# Altium PCB TimeDrive.PcbDoc (part 3 of 4)
Units mil, origin at the board's own origin, x right, y up, seen from the top; angles counter-clockwise.
Board outline 866.1 x 4330 mil, 8 copper layers (L01_SIG, L02_PWR, L03_GND, L04_SIG, L05_SIG, L06_GND, L07_PWR, L08_SIG), stack 31.68 mil thick; 313 components, 297 nets, 1051 pads, 637 vias.
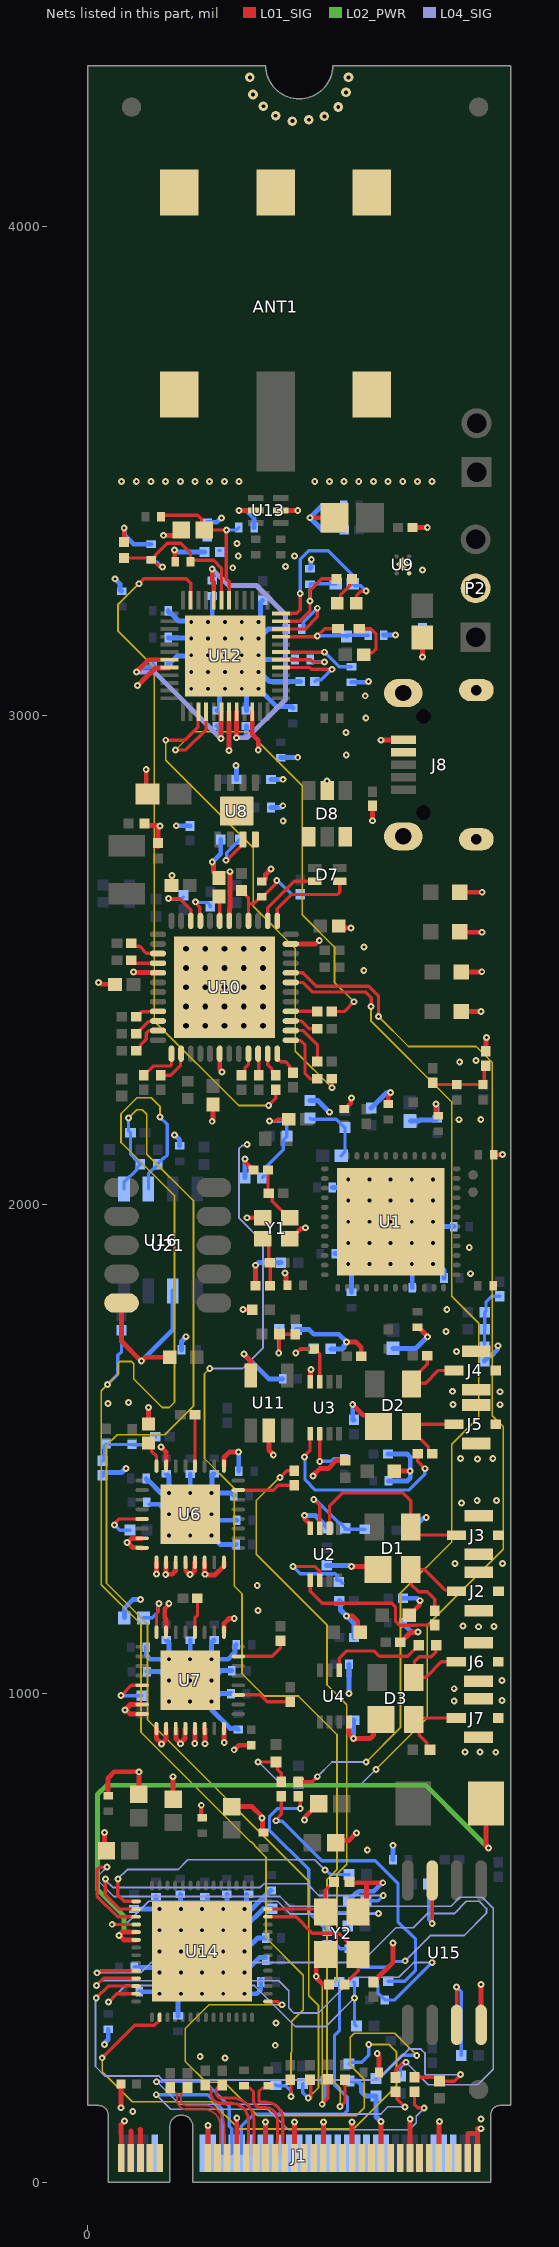
[diagram p9: the nets of this part, all layers, seen from the top]

## Via types
v1: diameter 14, hole 6, L01_SIG to L08_SIG, 509 vias
v2: diameter 19.68, hole 7.87, L01_SIG to L08_SIG, tented both sides, 103 vias
v3: diameter 23.62, hole 11.81, L01_SIG to L08_SIG, tented both sides, 25 vias

## Nets (pads, with @x,y where several pads share a name; then routed paths per layer and width w, separated by ;. In a path a pad name is that pad's centre, name@x,y a point inside that pad or via, vN(x,y) a via of type N, cw(c..) or ccw(c..) an arc to the next point about the centre after c; other vN are vias at no path point) (continued)
DW1000_SPIMISO: R78.1 U12.40 | length 975.5
  L01_SIG w6.8: v1(180,2930) 200.67,2930 242.37,2971.7 U12.40@242.37,3008.17 ; R78.1@499.76,2395 525,2395 v1(545,2415)
  L05_SIG w3.6: v1(180,2930) 217.12,2967.12 328.88,2967.12 439,2857 439,2593 505,2527 505,2455 v1(545,2415)
DW1000_SPIMOSI: R75.1 U12.39 | length 978.9
  L01_SIG w6.8: v1(160,2950) 198.62,2950 226.08,2977.46 226.08,3007.64 U12.39@226.62,3008.17 ; R75.1@499.76,2257.87 500,2257.64 v1(500,2239.15)
  L05_SIG w3.6: v1(160,2950) 160,2909 339,2730 339,2610 425,2524 425,2314.15 v1(500,2239.15)
DW1000_VCOTUNE: C75.1 R92.1 U12.12 | length 372.4
  L01_SIG w6.8: U12.12@395.91,3208.96 416.58,3208.96 417.13,3209.51 428.02,3209.51 435,3216.5 v1(435,3250) ; R92.1@549.68,3230 550.68,3231 550.68,3246.68 559,3255 v1(570,3255)
  L08_SIG w6.8: v1(435,3250) 435,3320 452.6,3337.6 492.4,3337.6 542.32,3287.68 C75.1@542.32,3270 546.52,3265.8 559.2,3265.8 v1(570,3255)
DW1000_VDDCLK: C66.2 C67.2 C68.2 U12.9 | length 231.6
  L01_SIG w6.8: U12.9@395.91,3161.72 470,3161.72 v1(470,3163.36) 484.94,3178.3 C66.2@512.32,3178.3
  L08_SIG w6.8: v1(470,3163.36) C68.2@530,3163.36 ; C68.2@530,3161.87 C68.2@530,3163.36 ; C67.2@574.25,3165 530,3165 C68.2@530,3163.36
DW1000_VDDDIG: C71.1 C72.1 U12.20 U12.44 | length 677.2
  L01_SIG w10: v1(255,3300) 255,3276.5 258.12,3273.38 U12.20@258.12,3236.52 ; v1(305,2955) 305,3007.81 U12.44@305.36,3008.17
  L04_SIG w10: v1(255,3300) 288.6,3266.4 345.6,3266.4 405,3207 405,3033 327,2955 v1(305,2955)
  L08_SIG w10: C71.1@255,3276.5 v1(255,3300) ; v1(305,2955) 319.14,2955 325,2960.86 C72.1@325,2979.25
DW1000_VDDIF: C60.2 U12.7 | length 156.7
  L01_SIG w6.8: U12.7@395.91,3130.22 485,3130.22 v1(485,3130)
  L08_SIG w6.8: v1(485,3130) 515,3100 C60.2@540,3100
DW1000_VDDIO: C69.1 C70.1 U12.31 U12.42 | length 433.4
  L01_SIG w10: v1(100.22,3089.69) 125,3114.47 U12.31@167.57,3114.47 ; v1(272.76,2953.49) 273.33,2954.06 273.33,3007.64 U12.42@273.86,3008.17
  L04_SIG w10: v1(100.22,3089.69) 136.56,3089.69 v1(272.76,2953.49)
  L08_SIG w10: v1(100.22,3089.69) 101.3,3089.69 111.76,3100.16 131.38,3100.16 134.25,3103.03 C70.1@134.25,3105 ; C69.1@265,2979.25 266.97,2979.25 269.84,2976.38 269.84,2957.49 272.76,2954.58 v1(272.76,2953.49)
DW1000_VDDMS: C59.2 U12.6 | length 122.3
  L01_SIG w6.8: U12.6@395.91,3114.47 456.27,3114.47 460.75,3110 v1(485,3110)
  L08_SIG w6.8: C59.2@455.75,3115 460.75,3110 v1(485,3110)
DW1000_VDDPA1: C55.1 C56.2 C57.1 C58.1 FB1.1 U12.18 | length 335.4
  L01_SIG w6.8: FB1.1@150.18,3406.79 150.18,3410 225,3410 233.28,3401.72 233.28,3385.37 C58.1@238.64,3380 v1(283.96,3380) 283.96,3345.51 283.66,3345.22 283.66,3297.07 284.03,3296.71 284.03,3279.95 289.61,3274.36 U12.18@289.61,3236.52
  L08_SIG w6.8: C56.2@268.21,3337.93 C56.2@271.14,3337.93 ; v1(283.96,3380) 304.25,3380 C55.1@309.25,3385
DW1000_VDDPA2: C62.1 C63.2 C65.1 FB2.1 U12.19 | length 372.3
  L01_SIG w6.8: C63.2@75,3322.72 126.54,3322.72 FB2.1@130,3319.25 ; v1(153.13,3303.99) 151.27,3305.86 145.36,3305.86 FB2.1@131.97,3319.25 ; C62.1@210.75,3315 C62.1@210.75,3317.99 ; U12.19@273.86,3236.52 273.86,3301.88 257.75,3317.99 C62.1@210.75,3317.99 ; FB2.1@130,3319.25 FB2.1@131.97,3319.25 ; FB2.1@130,3319.25 FB2.1@131.97,3319.25 ; FB2.1@131.97,3319.25 138.77,3326.05 138.77,3328.02 163.46,3352.72 190.78,3352.72 210.75,3332.75 C62.1@210.75,3317.99
  L08_SIG w6.8: C65.1@130,3319.25 135.18,3314.07 143.05,3314.07 v1(153.13,3303.99)
DW1000_VDDSYN: C61.2 U12.10 | length 157.8
  L01_SIG w6.8: U12.10@395.91,3177.47 445.18,3177.47 470,3202.28 v1(470,3220)
  L08_SIG w6.8: C61.2@438.23,3177.47 441.19,3180.42 441.19,3191.19 v1(470,3220)
DW1000_VDDVCO: C73.2 C74.1 C75.2 U12.11 | length 261.8
  L01_SIG w6.8: U12.11@395.91,3193.21 434.36,3193.21 455,3213.86 v1(455,3235) 455,3256.18 478.82,3280 C74.1@509.25,3280
  L08_SIG w6.8: v1(455,3235) C73.2@455,3269.25 455,3270 C75.2@507.68,3270
DW1000_VREF: R90.1 U12.5 | length 150.9
  L01_SIG w6.8: U12.5@395.91,3098.73 454.42,3098.73 458.15,3095 v1(500,3095)
  L08_SIG w6.8: R90.1@464.76,3070 468.26,3073.49 478.49,3073.49 v1@499.79,3094.79
DW1000_WAKEUP: R73.1 U12.23 | length 1435.1
  L01_SIG w6.8: v1(105,3270) 115,3280 202.28,3280 210.87,3271.41 U12.23@210.87,3236.52 ; v1(370.54,2202.88) 385,2217.34 R73.1@385,2234.92
  L05_SIG w3.6: v1(105,3270) 62.07,3227.07 62.07,3173.63 136.63,3099.08 136.63,2375.43 309.17,2202.88 v1(370.54,2202.88)
GND: C1.1 C2.1 C3.1 C4.2 C5.1 C6.1 C7.2 C8.1 C9.2 C10.2 C11.2 C12.1 C13.1 C14.1 C17.2 C18.2 C19.2 C20.2 C21.2 C22.2 C23.2 C24.2 C27.1 C28.1 C29.1 C30.1 C31.1 C32.1 C33.1 C34.1 C35.1 C36.2 C37.2 C38.1 C39.1 C40.1 C41.1 C42.1 C43.1 C44.1 C45.1 C46.1 C47.1 C48.2 C49.2 C50.2 C51.2 C52.2 C53.2 C54.1 C55.2 C56.1 C57.2 C58.2 C59.1 C60.1 C61.1 C62.2 C63.1 C64.2 C65.2 C67.1 C69.2 C70.2 C71.2 C72.2 C73.1 C76.2 C77.2 C78.2 C79.2 C80.2 C81.2 C86.1 C87.1 C88.1 C89.2 C90.1 C91.1 C92.1 C93.1 C94.1 C95.1 C96.1 C97.1 C98.1 C99.1 C100.1 C101.1 C102.1 C103.1 C104.1 C105.1 C106.1 C107.1 C108.2 C109.2 C110.2 C111.2 C112.2 C113.2 C114.2 C115.2 C118.2 C119.2 C122.2 C123.2 C124.2 C125.2 C126.2 C127.2 C129.2 C130.2 C131.2 C132.2 C133.2 C134.2 C135.2 C136.2 D1.1 D2.1 D3.1 D4.1 D5.1 D6.1 D8.2 D9.1 J1.1 J1.3 J1.9 J1.15 J1.21 J1.27 J1.33 J1.39 J1.45 J1.51 J1.57 J1.71 J1.73 J1.75 J2.2 J2.3 J3.2 J3.3 J4.2 J4.3 J5.2 J5.3 J6.2 J6.3 J7.2 J7.3 J8.5 J8.Shell P2.2 R1.1 R9.1 R10.1 R13.1 R16.2 R17.1 R18.1 R22.2 R23.2 R24.1 R26.1 R29.1 R31.1 R49.2 R57.2 R58.2 R60.1 R90.2 R106.2 R109.2 R114.2 R119.2 R120.1 R121.1 R132.1 R133.1 R134.1 R140.1 R141.1 U1.49 U2.4 U3.4 U4.4 U6.7 U6.8 U6.9 U6.10 U6.11 U6.12 U6.13 U6.14 U6.16 U6.25 U6.31 U6.33 U7.7 U7.8 U7.9 U7.10 U7.11 U7.12 U7.13 U7.14 U7.16 U7.25 U7.31 U7.33 U8.4 U8.9 U9.2 U9.5 U10.5 U10.18 U10.35 U10.42 U10.49 U11.2 U11.5 U12.32 U12.43 U12.46 U12.49 U13.2 U13.5 U14.57 U15.4 U16.6 U21.5 Y1.2 Y1.4 Y2.2 Y2.4 | length 10760
  L01_SIG w10: v1(22.5,2454.65) 25.14,2454.65 28.95,2450.84 55.32,2450.84 C48.2@56.16,2450 ; v1(35,715.78) 35,682.25 C109.2@38.74,678.51 ; C92.1@42.21,791.04 42.21,827.21 55,840 v1(105,840) C108.2@105,793.64 ; v1(68.57,152.79) R121.1@68.57,201.2 ; J1.75@68.93,50.2 68.93,99.87 68.78,100.02 68.78,118.45 v1(75.83,125.5) ; U21.5@69.51,1798.89 69.51,1720.49 v1(110,1680) 111.08,1680 119.08,1688 C122.2@168,1688 ; C63.1@75,3355 v1(75,3383.86) ; v1(80.94,1309.3) v1@82.02,1309.3 ; J1.73@88.62,50.2 88.62,105.76 ; v1(93.9,2475.62) 94.6,2474.92 143.47,2474.92 U10.5@144.17,2474.21 ; v1(102.4,3061.94) 138.13,3097.66 166.5,3097.66 U12.32@167.57,3098.73 ; 106.72,108.57 108.3,108.57 J1.71@108.3,50.2 ; U7.8@111.5,958.03 87.21,958.03 78.64,966.6 v1(76.86,966.6) 87.98,977.72 U7.7@111.5,977.72 ; U6.8@111.57,1298.03 110.83,1298.78 92.54,1298.78 v1@82.02,1309.3 ; U6.7@111.57,1317.72 110.83,1316.97 89.69,1316.97 v1@82.02,1309.3 ; C115.2@116.14,2780 120.71,2775.43 147.66,2775.43 v1(148.43,2774.67) ; v1(120,2890) 120,2842.43 C130.2@122.43,2840 ; R49.2@125,1551.7 v1(125,1585) ; v1(140.82,1244.67) 141.1,1244.95 U6.9@141.1,1268.5 ; U7.9@141.02,928.5 141.02,907.56 v1(151.54,897.04) 151.54,897.62 160.71,906.79 U7.10@160.71,928.5 ; C114.2@143.62,2732.07 144.02,2732.48 144.02,2774.27 v1@144.43,2774.67 ; v1(150.25,1504.35) 160.79,1493.82 U6.31@160.79,1465.35 ; v1(155.16,3369.12) 180.48,3369.12 C58.2@191.36,3380 ; v1(159.85,1243.23) v1@160.79,1244.17 ; U7.33@160.71,977.72 v2(166.61,983.62) ; U7.33@160.71,1070.24 v2(166.61,1070.24) ; U7.31@160.71,1125.35 160.71,1152.03 157.88,1154.86 157.88,1173.36 166.25,1181.73 v1(166.25,1183.91) ; U6.10@160.79,1268.5 v1@160.79,1244.17 ; U6.33@160.79,1410.24 v2(166.69,1410.24) ; C49.2@171.59,2652.78 172.28,2653.48 172.28,2672.45 v1(172.98,2673.14) ; C110.2@175,783.64 v1(175,830) ; v1(177.74,3339.32) 178.5,3338.56 178.5,3315.76 C62.2@179.25,3315 ; U7.11@180.39,928.5 181.14,927.76 181.14,907.15 v1@189.81,898.48 ; U6.11@180.47,1268.5 179.72,1267.76 179.72,1250.82 172.9,1244 160.96,1244 v1@160.79,1244.17 ; v1(189.81,897.4) v1@189.81,898.48 ; U7.12@200.08,928.5 199.33,927.76 199.33,908 v1@189.81,898.48 ; U7.33@200.08,983.62 v2(209.92,983.62) U7.33@219.76,983.62 ; U6.12@200.16,1268.5 200.91,1267.76 200.91,1250.82 207.08,1244.64 209.1,1244.64 v1(209.86,1243.87) 210.63,1244.64 212.92,1244.64 219.09,1250.82 219.09,1267.76 U6.13@219.84,1268.5 ; U10.49@201.26,2474.21 v3(201.26,2484.06) ; v1(219.34,898.16) 219.76,898.59 U7.13@219.76,928.5 ; v1(232.68,771.55) 232.68,748.07 C107.1@235,745.75 ; U7.14@239.45,928.5 240.12,927.83 v1(240.12,897.36) ; U6.14@239.53,1268.5 239.53,1246.05 240.45,1245.13 v1(240.45,1244.05) 241.53,1244.05 242.88,1242.7 260.81,1242.7 278.9,1260.79 U6.16@278.9,1268.5 ; v1(246.06,116.79) 246.1,116.75 J1.57@246.1,50.2 ; v2(253.31,1323.62) U6.33@260,1323.62 ; v1(255,2170.54) 255,2171.62 256.76,2173.38 C51.2@256.76,2204.87 ; v1@255,2700.59 v1(255.16,2700.59) 255.16,2697.95 257.84,2695.27 257.84,2679.03 C52.2@268.95,2667.92 ; U10.18@270.16,2308.86 270.5,2308.51 270.5,2276.84 274.77,2272.57 v1(274.77,2271.48) ; U10.49@270.16,2444.68 v3(280,2444.68) ; U7.16@278.82,928.5 278.82,900.56 v1(279.62,899.76) ; U7.25@278.82,1125.35 278.82,1142.82 289.6,1153.6 v1(300.14,1153.6) ; U6.25@278.9,1465.35 278.9,1482.9 289.8,1493.8 v1(308.71,1493.8) ; v3(280,2523.43) U10.49@280,2533.27 ; v1(289.56,2928.95) 289.56,3008.12 U12.43@289.61,3008.17 ; U10.42@289.84,2580.51 290.19,2580.86 290.19,2605.83 291.36,2607 v1(291.36,2681.09) ; C113.2@295,768.64 336.36,768.64 356.14,748.86 356.14,746.47 v1(356.91,745.7) 357.67,744.94 357.67,718.07 C100.1@360,715.75 ; v1(300,885) 309.25,894.25 R1.1@335,894.25 ; J1.51@305.15,50.2 305.23,50.28 305.23,131.7 v1(305.31,131.78) ; v1(310,3420) U13.2@344.41,3420 ; v1(317.94,1785.26) 337.02,1785.26 R31.1@337.28,1785 ; v1(319.86,1694.52) 333.73,1680.65 U11.5@333.73,1650.56 ; v1(321.8,2093.17) 322.57,2092.41 322.57,2086.81 338.38,2070.99 C20.2@339.23,2070.99 ; v1(325.89,1973.22) 358.04,1973.22 Y1.2@358.26,1973.44 ; U12.46@336.86,3008.17 336.86,2962.37 349.24,2949.98 v1(349.24,2929.78) ; C19.2@343.61,1834.06 v1@343.59,1876.03 ; C47.1@356.49,2661.03 358.45,2661.03 364.2,2666.77 364.2,2675.37 v1(375.29,2686.46) ; J1.45@364.21,50.2 v1(364.24,123.7) ; U11.2@371.13,1538.36 371.13,1497.91 379.94,1489.1 v1(379.94,1487.8) ; U13.5@395.59,3420 v1(430,3420) ; v1(404.16,1859.93) 404.16,1858.84 406.2,1856.8 406.2,1838.19 C3.1@409.08,1835.32 ; Y1.4@413.38,1930.13 415.35,1930.13 436.11,1950.9 444.01,1950.9 v1(445.88,1952.76) ; U10.35@415.83,2533.27 466.17,2533.27 472.99,2540.09 v1(474.07,2540.09) ; J1.39@423.26,50.2 v1(423.3,123.7) ; v1(443.75,1364.6) 444.51,1363.84 444.51,1356.98 455.47,1346.02 U2.4@455.47,1338.15 ; v1(443.92,741.23) 444.69,741.99 444.69,746.95 C112.2@472.71,775 ; v1(455,3405) C64.2@505,3405 ; U3.4@455.47,1638.15 456.21,1638.89 456.21,1662.14 v1(456.95,1662.88) ; v1(461.12,1445) 461.12,1446.12 475,1460 492,1460 509.05,1477.05 R23.2@527.03,1477.05 ; J1.33@482.32,50.2 482.32,123.66 v1(482.35,123.7) ; Y2.4@486.54,444.21 470.76,444.21 467.81,441.26 v1(467.81,421.73) 467.81,418.72 469.31,417.22 469.31,417 480.13,406.19 493.07,406.19 C87.1@494.25,405 ; D8.2@490,2847.24 v1(490,2866.76) ; C111.2@507.29,695 511.54,699.25 534.25,699.25 v1(550,715) ; C50.2@513.91,2570.26 518.07,2566.1 v1(538.57,2566.1) ; C4.2@525,2195.75 526.97,2195.75 538.39,2207.17 538.39,2216.22 v1(540.25,2218.09) ; v1(529.79,1719.24) 548.61,1719.24 559.76,1708.09 R24.1@559.76,1690 ; v1(530,1158.46) 542.25,1158.46 552.79,1147.92 552.79,1129.76 C125.2@557.56,1125 ; U4.4@534.53,941.85 534.53,917.47 v1(543.91,908.09) 578.09,908.09 585.25,915.25 585.25,931.47 D3.1@600.47,946.69 ; C86.1@535.75,615 537.72,613.02 570.84,613.02 ; v1(540,1260) 594.29,1260 D1.1@594.29,1253.9 ; v1(541.28,123.4) 541.28,50.28 J1.27@541.37,50.2 ; v1(542.4,1591.38) 542.4,1590.97 564.11,1569.25 572.91,1569.25 D2.1@595.47,1546.69 ; Y2.2@553.46,553.31 570.84,570.69 570.84,613.02 ; v1(582.8,2785.29) C53.2@582.8,2815.86 ; R109.2@585,409.76 585,410.75 625,450.75 v1(625,490) ; v1(592.58,263.79) 592.58,261.15 596.27,257.46 596.27,225.21 C97.1@596.06,225 ; v1(600,125) 600.21,124.79 600.21,50.41 J1.21@600.43,50.2 ; v1(600,2950) 600.59,2950.59 645.24,2950.59 J8.5@645.83,2951.18 ; v1(603.96,613.02) 570.84,613.02 ; C11.2@615,2205.75 615,2221.85 620,2226.85 v1(620,2229.49) ; C36.2@627.56,1455 v1(660,1455) ; R141.1@639.76,1105 640.75,1105 660.62,1124.87 675.01,1124.87 v1(675.77,1125.63) ; C22.2@657.56,1160 679.23,1181.68 679.23,1189.23 v1(680,1190) ; J1.15@659.48,50.2 659.74,50.46 659.74,129.74 v1(660,130) ; C133.2@664.9,3385 v1(695,3385) ; C8.1@675,1749.25 676.97,1749.25 695.42,1730.8 v1(695.42,1729.73) ; v1(685,3120) C135.2@685,3159.87 ; v1(712.88,2205.98) 712.88,2182.87 C9.2@715,2180.75 ; J1.9@718.54,50.2 718.54,122.45 720,123.92 v1(720,125) ; D5.1@760.99,2558.18 761.92,2557.25 v1(806.8,2557.25) ; D4.1@760.99,2638.97 v1(807.25,2638.97) ; D6.1@764.03,2395.06 804.84,2395.06 v1(805.07,2394.83) ; D9.1@764.54,2475.85 805.93,2475.85 v1(806.45,2476.38) ; J1.3@777.59,50.2 777.59,100 797.28,100 ; J1.1@797.28,50.2 797.28,100 ; v1(805,110) 797.28,110 797.28,100 ; U15.4@805,322.36 v1(805,405) ; R119.2@814.84,2313.71 814.84,2340.89 v1(815.74,2341.78) ; C7.2@830.94,2102.18 848.45,2102.18 v1(848.45,2102.71) ; U6.33@160.79,1317.72 166.69,1317.72 v2(166.69,1323.62) 160.79,1323.62 U6.33@160.79,1317.72
  L08_SIG w10: R114.2@30.7,1446.34 30.7,1447.33 35.54,1452.17 69.52,1452.17 77.91,1460.55 v1(78.99,1460.55) ; v1(34.54,281.92) 34.54,284.56 42.34,292.37 C95.1@42.34,313.37 ; v1(55.85,3280.13) 66.02,3269.95 66.02,3257.87 68.9,3255 C80.2@70,3255 ; v1@75,3382.87 75,3370 94.17,3350.83 129.92,3350.83 C65.2@130,3350.75 ; R57.2@75.23,1155 75.23,1174.64 92.65,1192.06 v1(108.29,1192.06) ; C96.1@95,559.25 125.12,559.25 ; C106.1@97.08,440 136.86,440 v2(147.54,429.32) ; C99.1@105.75,390 143.55,390 v2(147.54,386.01) ; v1(110,1680) 174.56,1744.56 U16.6@174.56,1823.32 ; C39.1@120,1095 120,1078.82 128.58,1070.24 v2(166.61,1070.24) 166.61,1103.86 160.87,1109.61 C40.1@160.71,1109.61 ; C31.1@120,1440 120,1438.03 122.87,1435.16 124.84,1435.16 149.76,1410.24 v2(166.69,1410.24) 166.69,1443.86 160.94,1449.61 C27.1@160.79,1449.61 ; C38.1@121.5,1045 148.54,1045 v2(166.61,1026.93) ; 125.14,559.24 v2(147.54,559.24) 140,566.78 C101.1@140,584.25 ; C30.1@127.54,1387.32 146.3,1387.32 v2(166.69,1366.93) ; C76.2@165,3160 166.04,3158.96 211.01,3158.96 v2(212.05,3157.92) ; C78.2@165,3215 165,3213.03 167.87,3210.16 169.84,3210.16 186.06,3193.94 210.2,3193.94 v2(212.05,3192.09) ; C70.2@165.75,3105 165.75,3106.97 168.62,3109.84 170.59,3109.84 182.65,3121.9 210.2,3121.9 v2(212.05,3123.75) ; v1(177.74,3339.32) 178.82,3339.32 183.14,3335 C56.1@238.86,3335 ; v1(178.19,2142.57) 188.37,2132.39 C127.2@188.37,2120.37 ; v1(181.44,2775.05) 181.51,2774.98 209.93,2774.98 C131.2@210,2774.9 ; C93.1@185,340.75 185,380.16 v2(190.85,386.01) ; C94.1@190,589.25 190,560.09 v2(190.85,559.24) ; C123.2@192.25,1703 192.25,1720.14 201.34,1729.22 v1(201.34,1729.97) ; v2(209.92,1070.24) 210,1070.24 C41.1@210,1109.25 ; v2(210,1410.24) C28.1@210,1449.25 ; v2(234.16,559.24) 245,570.08 C98.1@245,584.25 ; C57.2@245,3395.75 264.02,3395.75 272.62,3404.35 v1(274.34,3404.35) ; v2(246.5,3192.09) 246.5,3194.71 255,3203.21 C71.2@255,3245 ; v2(253.23,1026.93) 273.28,1046.98 C44.1@295.01,1046.98 ; v2(253.31,1323.62) 271.93,1305 C35.1@304.25,1305 ; v2(253.31,1366.93) 265.62,1354.61 C34.1@305.34,1354.61 ; v1@255.08,2700.67 272.52,2718.11 C89.2@272.52,2746.93 ; C42.1@259.13,1109.61 258.98,1109.61 253.23,1103.86 v2(253.23,1070.24) 287.76,1070.24 301.42,1083.9 301.42,1097.17 C43.1@304.25,1100 ; C29.1@259.21,1449.61 257.58,1449.61 254.71,1446.73 254.71,1411.64 v2(253.31,1410.24) 294.02,1410.24 C33.1@299.25,1405 ; C69.2@265,3010.75 266.97,3010.75 269.84,3013.62 269.84,3041.69 280.95,3052.8 v2(280.95,3055.42) ; v2(277.46,559.24) 285,566.77 C103.1@285,589.25 ; C45.1@293.5,1000 271.38,1000 255,983.62 v2(253.23,983.62) 253.23,967.34 291.73,928.84 306.04,928.84 C46.1@308.35,926.54 ; v1(303.81,2898.03) 304.9,2896.93 C119.2@304.9,2870 ; v1(308.71,1493.8) 309.25,1493.8 C32.1@309.25,1455 ; v1(310,3420) 325,3420 340.75,3404.25 C55.2@340.75,3385 ; v2(315.4,3055.42) 315.4,3052.8 325.02,3043.17 325.02,3035.71 C72.2@325.02,3010.77 ; v1(319.86,1694.52) 370.59,1643.79 C54.1@399.03,1643.79 ; v2(320.77,386.01) 346.01,386.01 354.25,394.25 C90.1@354.25,410 C90.1@354.25,415 ; v2(320.77,429.32) 351.46,460 C104.1@364.25,460 ; v2(320.77,472.62) 348.15,500 C91.1@364.25,500 ; v2(320.77,515.93) 320.77,520.77 360,560 R120.1@377.28,560 ; v1(321.8,2093.17) 322,2092.97 322,2055.2 R9.1@322.2,2055 ; C102.1@325,589.25 325,563.46 v2(320.77,559.24) 335.39,559.24 373.39,597.24 C105.1@375.36,597.24 ; v1(343.56,1876.06) 344.64,1876.06 349.92,1881.33 R140.1@395.54,1881.33 ; v2(349.85,3055.42) 386.64,3018.62 417.13,3018.62 C79.2@420,3015.75 ; v2(349.85,3089.59) 352.47,3089.59 372.06,3070 R90.2@435.24,3070 ; v2(349.85,3123.75) 352.47,3123.75 361.22,3115 C59.1@424.25,3115 ; v2(349.85,3157.92) 369.39,3177.47 C61.1@406.74,3177.47 ; v2(349.85,3192.09) 349.85,3194.71 353.62,3198.48 353.62,3231.35 C81.2@358.46,3236.19 ; C118.2@374.9,2870 v1(400,2870) ; C129.2@375.37,2812.28 394.7,2812.28 398.37,2815.95 v1(399.45,2815.95) ; C77.2@395,2914.25 395.37,2914.63 429.63,2914.63 v1(430,2915) ; R13.1@427.8,1745 452.8,1745 462.8,1735 514.03,1735 v1(529.79,1719.24) 529.79,1716.6 524.92,1711.73 524.92,1707.81 522.11,1705 R58.2@497.72,1705 ; v1(443.75,1364.6) 444.51,1363.84 466.28,1363.84 481.83,1348.28 R22.2@491.83,1338.28 ; R10.1@455,2212.8 471.33,2212.8 v1(494.96,2189.17) ; C73.1@455,3300.75 456.94,3302.69 456.94,3319.17 v1(457.7,3319.93) ; R16.2@488.98,1262.28 540,1262.28 v1(540,1260) ; C1.1@500.75,2035 516.77,2035 v2(533.39,2051.61) ; C2.1@505.75,1900 525,1900 533.39,1908.39 v2(533.39,1921.69) ; R18.1@515.24,1190 517.45,1187.79 517.45,1171.02 v1(530,1158.46) 544.9,1143.56 C126.2@544.9,1115 ; C134.2@524.25,3430 480,3430 v1(455,3405) 480,3380 C132.2@525.1,3380 ; v2(533.39,1878.39) 533.39,1875.77 540,1869.15 C5.1@540,1820.75 ; R132.1@533.72,576.5 533.72,576.59 548.89,591.76 550.81,591.76 554.82,595.77 585.63,595.77 602.88,613.02 v1(603.96,613.02) ; R133.1@535,207.2 552.8,207.2 560,200 560,185.7 568.5,177.2 R134.1@590,177.2 590,135 v1(600,125) ; v1(535,1000) C124.2@535,1060 ; C60.1@540,3068.5 572.42,3068.5 573.92,3070 v1(575,3070) ; v1(542.4,1591.38) 542.4,1559.76 R26.1@545,1559.76 ; v1(543.91,908.09) 543.91,945.54 R60.1@545.47,945.54 ; R29.1@580,2197.72 610.42,2228.13 618.13,2228.13 v1@620,2230 ; C67.1@605.75,3165 v1(630,3165) ; C37.2@614.9,1490 653.7,1490 660,1483.7 660,1470.91 v1(660,1455) 660,1440.86 654.14,1435 C24.2@615.75,1435 ; v1@624.94,682.65 624.94,689.64 v1(625,689.64) C88.1@625,660 ; C17.2@625,1706.16 671.85,1706.16 v1(695.42,1729.73) ; C23.2@644.9,1195 673.92,1195 678.92,1190 v1(680,1190) ; C21.2@645.75,1145 645.75,1143.03 662.38,1126.4 675.01,1126.4 v1(675.77,1125.63) ; C18.2@660,2171.16 678.05,2171.16 679.76,2172.87 712.13,2172.87 C10.2@715,2175.75 v1@715,2200 ; R17.1@661.84,1334.34 662.82,1334.34 687.72,1359.23 692.11,1359.23 v1(692.88,1360) ; v2@663.31,1877.4 cw(c661.03,1875.12) 664.25,1875.12 C6.1@664.25,1830 ; v1(685,3120) C136.2@685,3180.1 C136.2@685.1,3180 ; v2(706.61,1878.39) 716.61,1878.39 729.25,1865.75 C13.1@729.25,1850 ; v2(706.61,1965) 716.61,1955 C14.1@749.25,1955 ; R106.2@812,1679.8 812,1680.78 821.72,1690.5 825.16,1690.5 838.93,1704.27 838.93,1710.61 v1(839.69,1711.37)
  other v1: 805,130 92.53,145.27 281.23,254.59 230.48,257.54 384.03,280.6 385.51,326.29 572.22,680.27 772,880.3 803.07,880.3 835,880 750,985 847.55,985.98 750,1010 847.55,1026.8 799.95,1136.71 831.65,1137.25 768.04,1138.3 348.61,1169.91 347.08,1221.23 751.6,1266.37 848.58,1266.22 765,1390 796.99,1394.65 836.49,1394.65 797.5,1480 763.17,1481.06 828.92,1481.06 747.2,1591.22 843.71,1590.85 42.18,1593.64 84.04,1595.01 843.39,1617.33 746.26,1618.23 755,1700 733.3,1740.7 734.89,1785.4 783.53,1858.78 780.78,1912.17 759.94,2173.8 804.41,2174.17 761.21,2291.98 794.8,2294.54 565.08,2479.25 565.43,2527.16 400.16,2785 529.21,2919.63 528.88,2965.87 569.19,2995.21 568.04,3040.86 685.16,3298.24 297.06,3302.64 405,3305 308.29,3327.11 423.02,3327.1 305.74,3352.45 69.8,3478.86 99.8,3478.86 129.8,3478.86 159.8,3478.86 189.8,3478.86 219.8,3478.86 249.8,3478.86 279.8,3478.86 309.8,3478.86 464.8,3478.86 494.8,3478.86 524.8,3478.86 554.8,3478.86 584.8,3478.86 614.8,3479.18 644.8,3478.86 674.8,3478.86 704.8,3478.86
  other v2: 234.16,386.01 277.46,386.01 190.85,429.32 234.16,429.32 277.46,429.32 147.54,472.62 190.85,472.62 234.16,472.62 277.46,472.62 147.54,515.93 190.85,515.93 234.16,515.93 277.46,515.93 209.92,1026.93 210,1323.62 210,1366.93 576.69,1878.39 620,1878.39 663.31,1878.39 576.69,1921.69 620,1921.69 663.31,1921.69 706.61,1921.69 533.39,1965 576.69,1965 620,1965 663.31,1965 533.39,2008.31 576.69,2008.31 620,2008.31 663.31,2008.31 706.61,2008.31 576.69,2051.61 620,2051.61 663.31,2051.61 706.61,2051.61 212.05,3055.42 246.5,3055.42 212.05,3089.59 246.5,3089.59 280.95,3089.59 315.4,3089.59 246.5,3123.75 280.95,3123.75 315.4,3123.75 246.5,3157.92 280.95,3157.92 315.4,3157.92 280.95,3192.09 315.4,3192.09 419.03,4216.28 452.83,4219.05 484.41,4226.07 384.68,4227.36 512.67,4245.09 359.75,4246.57 338.33,4270.77 528.55,4275.2 332.05,4305.67 533.91,4305.67
  other v3: 201.26,2365.94 240.63,2365.94 280,2365.94 319.37,2365.94 358.74,2365.94 201.26,2405.31 240.63,2405.31 280,2405.31 319.37,2405.31 358.74,2405.31 201.26,2444.68 240.63,2444.68 319.37,2444.68 358.74,2444.68 240.63,2484.06 280,2484.06 319.37,2484.06 358.74,2484.06 201.26,2523.43 240.63,2523.43 319.37,2523.43 358.74,2523.43
I225_CLKREQ_N: R3.1 R123.1 U14.3 | length 1675
  L01_SIG w6.8: v1(39.53,645.07) 39.46,645 25,645 19.19,639.19 19.19,585.81 61.51,543.49 U14.3@99.32,543.49 ; R3.1@630.32,209.76 630.32,230.32 643.99,243.99 649.47,243.99 v1(651.33,245.85)
  L04_SIG w3.6: v1(39.53,645.07) 23.42,628.96 23.42,615.55 53.98,585 393.7,585 413.7,565 743.39,565 761.63,583.24 807.54,583.24 830,560.78 830,231.69 798.31,200 697.19,200 v1(651.33,245.85)
  L08_SIG w6.8: R123.1@640,217.8 640,234.52 v1(651.33,245.85)
I225_DISABLE_N: R127.1 R132.2 U14.2 | length 830.6
  L01_SIG w6.8: v1(36.5,620.45) 36.5,588.5 65.76,559.24 U14.2@99.32,559.24
  L04_SIG w3.6: v1(36.5,620.45) 36.5,618.5 51.5,603.5 353.5,603.5 360.85,610.85 449.15,610.85 472.94,587.06 v1(604.84,587.06)
  L08_SIG w6.8: R127.1@485,552.2 545.01,552.2 561.45,568.63 561.53,568.63 569.32,576.42 R132.2@569.32,576.5 594.28,576.5 v1(604.84,587.06)
I225_JTAG_CLK: R134.2 U14.29 | length 1151.6
  L01_SIG w6.8: U14.29@369,370.26 387.98,370.26 394.78,363.46 v1(397.42,363.46)
  L05_SIG w3.6: v1(397.42,363.46) 248.46,363.46 200,315 200,247.49 242.49,205 280,205 348.42,136.58 549.45,136.58 566.1,153.23 566.1,211.41 537.55,239.96 537.55,297.09 545.46,305 628.43,305 v1(673.43,260)
  L08_SIG w6.8: R134.2@590,212.8 598.27,221.07 604.7,221.07 643.64,260 v1(673.43,260)
I225_JTAG_RSTN: R133.2 U14.16 | length 1072.5
  L01_SIG w6.8: v1(30,255) 62.12,287.12 ; 62.12,287.13 96.54,321.54 127.51,321.54 136.92,321.54 147.54,332.16 U14.16@147.54,337.78
  L05_SIG w3.6: v1(30,255) 30,226.57 91.57,165 253.67,165 309.13,109.54 544.79,109.54 631.76,196.51 631.76,267.3 617,282.06 v1(575.25,282.06)
  L08_SIG w6.8: R133.2@535,242.8 538.08,245.88 560.84,245.88 575.25,260.29 v1(575.25,282.06)
I225_LAN_PWR_GOOD: R126.1 U14.1 | length 577.1
  L01_SIG w6.8: v1(62.07,620.91) 62.07,587.93 75.02,574.98 U14.1@99.32,574.98
  L04_SIG w3.6: v1(62.07,620.91) 81.16,640 185,640 205,660 464.84,660 v1(486.06,638.77)
  L08_SIG w6.8: v1(486.06,638.77) 487.43,638.77 496.2,630 R126.1@535,630
I225_M2_PCIE_TX_N: C85.2 J1.41 | length 194.3
  L01_SIG w6.3: C85.2@369.59,198.12 364.86,193.39 357.72,193.39 350.34,186.01 350.34,168.64 ccw(c354.97,168.64) 354.97,164 364.64,164 cw(c364.64,129.46) 399.19,129.46 ; 399.23,129.46 399.23,83.05 399.84,83.05 399.84,53.94 J1.41@403.58,50.2
I225_M2_PCIE_TX_P: C84.2 J1.43 | length 194.2
  L01_SIG w6.3: C84.2@320.09,198.03 324.82,193.3 331.96,193.3 339.34,185.92 339.34,168.64 ccw(c354.97,168.64) 354.97,153 364.64,153 cw(c364.64,129.46) 388.19,129.46 ccw(c400.79,129.53) 388.21,128.88 388.22,128.66 cw(c375.63,128) 388.23,128.05 388.23,83.05 387.63,83.05 387.63,53.94 J1.43@383.89,50.2
I225_RST_N: R2.1 R124.1 U14.13 | length 731.9
  L01_SIG w6.8: v1(42.95,368.94) 60.02,386.01 U14.13@99.32,386.01
  L04_SIG w3.6: v1(42.95,368.94) 76.77,402.76 341.43,402.76 425.36,318.83 487.33,318.83 v1(546.12,377.62)
  L08_SIG w6.8: R2.1@544.76,410 546.12,408.64 v1(546.12,377.62) 546.12,323.88 R124.1@550,320
I225_SCK: R80.1 R89.1 | length 615.5
  L01_SIG w6.8: v1(385.52,739.93) 385.52,741.87 396.38,752.73 R80.1@396.38,790.24
  L08_SIG w6.8: v1(385.52,739.93) 386.9,738.55 398.3,738.55 478.81,658.04 589.01,658.04 635,612.05 635,533.31 671,497.31 671,434 648.57,411.57 R89.1@614.96,411.57
I225_SDA: R79.1 R95.1 | length 378.7
  L01_SIG w6.8: R79.1@431.38,790.24 435.07,786.54 v1(435.07,765.07)
  L08_SIG w6.8: v1(435.07,765.07) 389.29,765.07 372.12,747.91 372.12,720.6 452.46,640.27 452.46,552.3 R95.1@490,514.76
I225_SDP0: R43.2 R108.1 | length 1505.4
  L01_SIG w6.8: v1(393.89,1441.75) 407.86,1455.72 R43.2@422.82,1455.72 ; v1(516.66,155.52) 526.73,165.58 R108.1@526.73,210.07
  L05_SIG w3.6: v1(393.89,1441.75) 391.75,1441.75 345,1395 345,1285 490,1140 490,1017.5 530,977.5 530,650.67 510,630.67 510,415 490,395 490,220 516.66,193.34 v1(516.66,155.52)
I225_SDP1: R88.1 R102.1 R117.1 R128.1 U16.2 | length 3008.6
  L01_SIG w6.8: R117.1@415,210.24 416.16,209.07 v1(416.16,175.65)
  L05_SIG w3.6: v1(147.98,2179.05) 147.98,2201.22 130.36,2218.83 101.21,2218.83 68.5,2186.12 68.5,2127.31 177.9,2017.91 177.9,1596.21 166.87,1585.19 152.67,1585.19 94.4,1643.46 94.4,1674.96 90.18,1679.17 66.29,1679.17 62.07,1674.96 62.07,1653.57 v1(41,1632.51) 28.28,1619.78 28.28,1222.83 109.35,1141.76 109.35,920.79 333.34,696.8 334.89,696.8 341.8,689.89 341.8,688.34 365.04,665.1 365.04,500.18 441.27,423.95 441.27,353.44 417.76,329.93 417.76,267.13 416.16,265.53 v1(416.16,175.65)
  L08_SIG w6.8: v1(41,1632.51) 62.07,1653.57 62.07,1692.04 69.51,1699.48 R102.1@69.51,1743 ; U16.2@124.56,2031.98 124.56,2063.5 134.78,2073.73 135.77,2073.73 143.48,2081.44 143.48,2083.41 154.8,2094.73 155.98,2094.73 162.81,2101.56 162.81,2164.21 v1(147.98,2179.05) ; R128.1@385,200 387.49,197.51 405.84,197.51 416.16,187.18 v1(416.16,175.65)
I225_SDP2: R30.1 R115.1 | length 2357
  L01_SIG w6.8: v1(480,160) 491.82,171.82 R115.1@491.82,211.23
  L04_SIG w3.6: v1(250,1665) 317.36,1665 358.69,1706.33 358.69,1923.73 310,1972.42 310,2115 316.11,2121.11 324.53,2121.11 v1(326.61,2123.18)
  L05_SIG w3.6: v1(250,1665) 239.14,1654.14 239.14,1480.86 300,1420 300,1220 315.92,1204.08 315.92,1040.67 361.59,995 431.29,995 510,916.29 510,640 490,620 490,415 480,405 v1(480,160)
  L08_SIG w6.8: v1(480,160) 480,162.64 485,167.64 R30.1@485,209.25
I225_SDP3: R42.1 R96.1 R101.1 R116.1 U16.1 | length 2661.3
  L01_SIG w6.8: R116.1@455,210.24 456.47,208.77 v1@456.47,173.04
  L05_SIG w3.6: v1(83.65,2177.14) 100.86,2194.35 111.53,2194.35 121.14,2184.73 121.14,2103.15 216.9,2007.4 216.9,1588.88 157.56,1529.53 60.55,1529.53 38.71,1507.69 38.71,1225.63 122.58,1141.76 122.58,946.39 452.46,616.51 452.46,381.89 472.65,361.7 472.65,194.23 v1(451.47,173.04)
  L08_SIG w6.8: U16.1@74.56,2031.98 74.56,2045.76 100.38,2071.58 100.38,2075.1 R96.1@108.1,2082.81 108.1,2083.8 101.66,2090.24 100.48,2090.24 87.97,2102.75 R101.1@87.97,2147 83.65,2151.32 v1(83.65,2177.14) ; R42.1@440,202.2 440,183.5 450.45,173.04 v1(451.47,173.04)
I225_ULP_WAKE_N: R122.1 U14.4 | length 697.3
  L01_SIG w6.8: v1(50.4,528.09) 50.74,527.74 U14.4@99.32,527.74
  L04_SIG w3.6: v1(50.4,528.09) 78.09,528.09 125,575 388.47,575 414.3,549.17 594.17,549.17 v1(595,550)
  L08_SIG w6.8: R122.1@532.2,525 532.2,525.08 557.11,550 v1(595,550)
I225_WAKE_N: R4.1 R125.1 U14.12 | length 1166.5
  L01_SIG w6.8: v1(17.9,377.06) 17.9,377.46 42.19,401.76 U14.12@99.32,401.76 ; R4.1@668.82,215 712.8,215 720.46,207.34 749.84,207.34 v1(763.04,220.54)
  L04_SIG w3.6: v1(17.9,377.06) 16.21,375.37 16.21,237.18 35.51,217.88 145.97,217.88 154.2,209.65 593.97,209.65 657.09,272.77 681.96,272.77 690,264.73 690,221.83 691.29,220.54 v1(763.04,220.54)
M2_I225_PCIE_CLK_N: J1.53 R100.1 | length 218.1
  L01_SIG w4: R100.1@204.51,194.19 204.51,193.2 196.67,185.36 195.95,185.36 191.26,180.67 191.26,169.49 ccw(c203.15,169.49) 203.15,157.6 238.89,157.6 cw(c238.89,116.61) 279.87,116.61 279.87,81.43 280.58,80.72 280.58,55.09 J1.53@285.47,50.2
M2_I225_PCIE_CLK_P: J1.55 R99.1 | length 218.1
  L01_SIG w4: R99.1@169.51,194.19 169.51,193.2 177.35,185.36 178.07,185.36 182.76,180.67 182.76,169.49 ccw(c203.15,169.49) 203.15,149.1 238.89,149.1 cw(c238.89,116.61) 271.37,116.61 271.37,81.43 270.67,80.72 270.67,55.09 J1.55@265.78,50.2
M2_I225_PCIE_RX_N: J1.47 R98.1 | length 209.6
  L01_SIG w6.3: R98.1@275.43,198.84 ccw(c275.43,186.84) 263.43,186.84 263.43,182.57 ccw(c272.99,182.57) 272.99,173.01 294.24,173.01 cw(c294.24,127.07) 340.18,127.07 340.18,84.5 ccw(c342.24,84.5) 340.78,83.05 340.78,59.23 ccw(c353.55,59.23) J1.47@344.52,50.2
M2_I225_PCIE_RX_P: J1.49 R97.1 | length 209.6
  L01_SIG w6.3: R97.1@240.43,198.84 cw(c240.43,186.84) 252.43,186.84 252.43,182.57 ccw(c272.99,182.57) 272.99,162.01 294.24,162.01 cw(c294.24,127.07) 329.18,127.07 329.18,84.5 cw(c327.12,84.5) 328.58,83.05 328.58,59.23 cw(c315.81,59.23) J1.49@324.84,50.2
MCU_VDDCORE: C52.1 U10.43 | length 50.2
  L01_SIG w6.8: C52.1@268.95,2630.23 270.16,2629.03 U10.43@270.16,2580.51
NetANT1_2: ANT1.2
NetANT1_3: ANT1.3
NetANT1_4: ANT1.4
NetANT1_5: ANT1.5
NetANT1_6: ANT1.6
NetC19_1: C19.1 R15.1 Y1.3 | length 102.5
  L01_SIG w6.8: Y1.3@358.26,1930.13 370.61,1917.78 370.61,1892.22 373.59,1889.24 373.59,1834.24 C19.1@373.42,1834.06
NetC20_1: C20.1 R14.2 Y1.1 | length 119
  L01_SIG w6.8: C20.1@369.98,2070.05 C20.1@369.04,2070.99 369.04,2024.95 R14.2@370.44,2023.55 371.42,2023.55 377.87,2017.1 377.87,2006.98 411.41,1973.44 Y1.1@413.38,1973.44
NetC47_2: C47.2 R44.1 R62.2 U10.40 | length 208.1
  L01_SIG w6.8: R62.2@315,2642.2 315.08,2642.2 329.21,2628.07 329.21,2615.49 ; U10.40@329.21,2580.51 329.21,2615.49 ; v1(386.99,2663.01) 385.12,2661.14 385.12,2656.2 358.45,2629.53 C47.2@356.49,2629.53 354.52,2629.53 340.47,2615.49 329.21,2615.49
  L08_SIG w6.8: v1(386.99,2663.01) 389.14,2663.01 417.59,2634.55 R44.1@435.3,2634.55
NetC66_1: C66.1 R91.2 | length 100
  L01_SIG w6.8: C66.1@555.62,3178.3 579.57,3178.3 590,3167.87 590,3136.26 582.67,3128.92 568.92,3128.92 R91.2@565,3125
NetC74_2: C74.2 R92.2 | length 62.6
  L01_SIG w6.8: R92.2@510.31,3230 517.35,3237.04 517.35,3246.68 536.55,3265.88 536.55,3275.8 C74.2@540.75,3280
NetC86_2: C86.2 U14.41 Y2.3 | length 189
  L01_SIG w6.8: U14.41@369,559.24 480.61,559.24 Y2.3@486.54,553.31 486.54,597.28 C86.2@504.25,615
NetC87_2: C87.2 U14.40 Y2.1 | length 291.8
  L01_SIG w6.8: U14.40@369,543.49 426.51,543.49 460,510 514.09,510 553.46,470.63 Y2.1@553.46,466.69 553.46,432.72 C87.2@525.75,405
NetC89_1: C89.1 U8.3 | length 111.7
  L01_SIG w6.8: v1(283.57,2704.49) 285.2,2704.49 317.8,2737.09 U8.3@317.8,2746.93
  L08_SIG w6.8: v1(283.57,2704.49) 284.95,2705.87 284.95,2719.99 C89.1@311.89,2746.93
NetD1_2: D1.2 J2.1 R21.2 | length 227.1
  L01_SIG w6.8: R21.2@710,1169.76 710,1193 695,1208 677,1208 662.54,1222.46 662.54,1252.58 D1.2@661.22,1253.9 689.1,1253.9 731.31,1211.69 752.37,1211.69 J2.1@754.88,1209.17
NetD1_3: D1.3 J3.1 U2.2 | length 392.9
  L01_SIG w6.8: U2.2@494.84,1338.15 494.84,1383.07 522.17,1410.39 644.89,1410.39 661.22,1394.07 D1.3@661.22,1340.52 661.22,1324.17 J3.1@754.88,1324.17
NetD2_2: D2.2 J5.1 R55.2 | length 165.2
  L01_SIG w6.8: R55.2@704.76,1490.83 697.24,1498.35 697.24,1504.49 680.47,1521.26 679.96,1521.26 662.4,1538.82 662.4,1550.83 J5.1@749.72,1550.83
NetD2_3: D2.3 J4.1 R143.1 | length 169.6
  L01_SIG w6.8: R143.1@694.76,1690.83 694.76,1673.54 679.96,1658.74 662.4,1641.18 D2.3@662.4,1633.31 664.08,1634.98 691.98,1634.98 717.83,1660.83 J4.1@749.72,1660.83
NetD3_2: D3.2 J7.1 R142.2 | length 165.7
  L01_SIG w6.8: R142.2@700.43,885 694.29,891.15 694.29,899.71 678.75,915.25 678.75,935.34 D3.2@667.4,946.69 667.4,950 J7.1@754.37,950
NetD3_3: D3.3 J6.1 R61.1 | length 199
  L01_SIG w6.8: R61.1@713.31,1099.17 712.46,1098.33 712.46,1084.46 703,1075 679,1075 668.75,1064.75 668.75,1034.66 D3.3@667.4,1033.31 692.31,1033.31 724,1065 J6.1@754.37,1065
NetD7_1: D7.1 U10.37 | length 188.7
  L01_SIG w6.8: U10.37@388.27,2580.51 388.04,2580.74 388.04,2605.14 417.45,2634.55 511.42,2634.55 515.59,2638.73 D7.1@515.59,2661.22
NetD7_3: D7.3 U10.38 | length 144.8
  L01_SIG w6.8: U10.38@368.58,2580.51 368.88,2580.81 368.88,2607.36 422.75,2661.22 D7.3@464.41,2661.22
NetD8_4: D8.4
NetD8_6: D8.6
NetJ1_5: J1.5
NetJ1_6: J1.6
NetJ1_7: J1.7
NetJ1_8: J1.8
NetJ1_10: J1.10
NetJ1_11: J1.11
NetJ1_13: J1.13
NetJ1_17: J1.17
NetJ1_19: J1.19
NetJ1_20: J1.20
NetJ1_22: J1.22
NetJ1_23: J1.23
NetJ1_24: J1.24
NetJ1_25: J1.25
NetJ1_26: J1.26
NetJ1_28: J1.28
NetJ1_29: J1.29
NetJ1_30: J1.30
NetJ1_31: J1.31
NetJ1_32: J1.32
NetJ1_34: J1.34
NetJ1_35: J1.35
NetJ1_36: J1.36
NetJ1_37: J1.37
NetJ1_38: J1.38
NetJ1_40: J1.40
NetJ1_42: J1.42
NetJ1_44: J1.44
NetJ1_46: J1.46
NetJ1_48: J1.48
NetJ1_50: J1.50 R2.2 | length 563
  L08_SIG w6.8: J1.50@314.74,60.04 314.74,114.74 340,140 523.88,140 531.84,147.97 531.84,173.16 505,200 505,300 515.24,310.24 R2.2@515.24,410
NetJ1_52: J1.52 R3.2 | length 843
  L01_SIG w6.8: R3.2@630.32,180.24 633.22,177.33 633.22,170.52 v1(649.07,154.68)
  L04_SIG w3.6: v1(141.09,206.08) 142.04,206.08 188.12,160 383.92,160 403.92,140 600,140 614.68,154.68 v1(649.07,154.68)
  L08_SIG w6.8: v1(141.09,206.08) 141.76,206.75 239.25,206.75 290,156 290,114.61 295.06,109.55 J1.52@295.06,60.04
NetJ1_54: J1.54 R4.2 | length 889.8
  L01_SIG w6.8: R4.2@668.82,185.47 668.82,159.13 675.26,152.69 687.97,152.69 v1(688.64,152.03)
  L04_SIG w3.6: v1(140.54,179.52) 170.07,150 369,150 411.12,107.88 657.88,107.88 672.32,122.32 672.32,135.71 v1(688.64,152.03)
  L08_SIG w6.8: v1(140.54,179.52) 245.48,179.52 275.37,149.63 J1.54@275.37,60.04
NetJ1_56: J1.56
NetJ1_58: J1.58
NetJ1_67: J1.67
NetJ1_68: J1.68
NetJ1_69: J1.69
NetJ2_4: J2.4
NetJ3_4: J3.4
NetJ4_4: J4.4
NetJ5_4: J5.4
NetJ6_4: J6.4
NetJ7_4: J7.4
NetJ8_4: J8.4
NetL1_1: L1.1 U14.5 U14.6 | length 1345.9
  L01_SIG w10: U14.6@99.32,496.24 74.44,496.24 65.73,504.95 v1(64.23,504.95) 71.27,511.99 U14.5@99.32,511.99 ; L1.1@815,775 815,689.17 v1(820,684.17)
  L02_PWR w10: v1(64.23,504.95) 64.23,506.03 74.39,516.2 74.39,545.61 20,600 20,793.54 38.91,812.45 691.71,812.45 780.08,724.08 v1(820,684.17)
NetR5_1: R5.1 R7.2 R9.2 | length 203.3
  L01_SIG w6.8: v1(372.01,2171.28) 385.43,2171.28 389.15,2175 R7.2@406.3,2175
  L08_SIG w6.8: R9.2@357.8,2055 366.86,2064.06 366.86,2079.06 400.02,2112.22 400.02,2132.22 R5.1@407.8,2140 407.8,2162.2 399.83,2170.17 373.12,2170.17 v1(372.01,2171.28)
NetR6_1: R6.1 R8.2 R10.2 | length 140.4
  L08_SIG w6.8: R10.2@455,2177.2 457.2,2175 508.91,2175 R6.1@526.55,2157.44 R6.1@526.55,2157.44 526.55,2107.85 R8.2@518.7,2100
NetR11_1: R11.1 R12.2 R13.2 | length 120.3
  L01_SIG w6.8: v1(391.16,1696.56) 392.8,1698.2 R11.1@392.8,1735 424.76,1735 R12.2@425,1735.24
  L08_SIG w6.8: v1(391.16,1696.56) 391.16,1743.96 R13.2@392.2,1745
NetR19_1: R19.1 U2.6 | length 202.2
  L01_SIG w6.8: v1(420,1260) 465,1260 475.16,1249.84 U2.6@475.16,1231.85
  L08_SIG w6.8: v1(420,1260) 435,1245 507.17,1245 509.66,1242.51 509.66,1231.5 518.26,1231.5 518.26,1229.4 R19.1@522.66,1225
NetR20_2: R20.2 R22.1 U2.3 | length 195.1
  L01_SIG w6.8: v1(462.66,1396.92) 474.85,1384.74 474.85,1338.46 U2.3@475.16,1338.15
  L08_SIG w6.8: v1(462.66,1396.92) 464.53,1395.06 468.24,1395.06 516.31,1346.99 518.56,1346.99 R22.1@527.26,1338.28 527.26,1336.03 R20.2@567.25,1336.03
NetR21_1: R21.1 U2.5 | length 323
  L01_SIG w6.8: U2.5@455.47,1231.85 455.47,1209.53 480,1185 622.03,1185 630,1177.03 630,1147.79 637.97,1139.82 673.99,1139.82 674.41,1140.24 R21.1@710,1140.24
NetR25_1: R25.1 U3.6 | length 109.4
  L01_SIG w6.8: v1(475,1475) 475,1531.85 U3.6@475.16,1531.85
  L08_SIG w6.8: v1(475,1475) 497.95,1475 503.7,1480.75 R25.1@525,1480.75
NetR27_2: R27.2 R58.1 U3.3 | length 153.1
  L01_SIG w6.8: v1(425.83,1696.69) 428.13,1696.69 436.44,1705 R27.2@464.25,1705 475.16,1694.09 U3.3@475.16,1638.15
  L08_SIG w6.8: v1(425.83,1696.69) 428.13,1696.69 436.44,1705 R58.1@462.28,1705
NetR32_1: R32.1 R33.2 R103.2 R106.1 | length 126.1
  L08_SIG w6.8: R106.1@812,1709.33 811.98,1744.26 R32.1@812.72,1745 R33.2@812.72,1780 815,1782.28 815,1800.82 826.81,1812.63 R103.2@843.44,1812.63
NetR35_2: R35.2 R36.2 R107.2 R114.1 | length 145.3
  L08_SIG w6.8: R114.1@30.7,1475.87 34.26,1479.43 34.26,1506.44 R36.2@37.82,1510 38.32,1509.5 90.7,1509.5 R35.2@91.2,1509 121.92,1509 130.81,1517.89 130.81,1518.87 137.25,1525.31 R107.2@138.24,1525.31
NetR39_2: R39.2 R40.2 R118.2 R119.1 | length 145.5
  L01_SIG w6.8: R118.2@705.94,2249.57 709.88,2245.62 R40.2@755.23,2245.62 755.23,2245.71 R39.2@808.63,2245.71 811.74,2248.81 811.74,2281.08 R119.1@814.84,2284.19
NetR41_1: R41.1 U6.28 | length 104.7
  L01_SIG w6.8: R41.1@219.76,1570 R41.1@219.76,1570 U6.28@219.84,1465.35
NetR43_1: R43.1 U6.23 | length 118.6
  L01_SIG w6.8: U6.23@308.43,1416.14 380,1416.14 390.05,1426.19 R43.1@422.82,1426.19
NetR45_2: R45.2 U10.45 | length 79.8
  L01_SIG w6.8: v1(220.68,2619.52) 220.68,2617.57 229.83,2608.42 229.83,2581.47 U10.45@230.79,2580.51
  L08_SIG w6.8: v1(220.68,2619.52) 222,2618.21 244.55,2618.21 251,2611.76 R45.2@251,2608.72
NetR46_2: R46.2 U10.46 | length 109.2
  L01_SIG w6.8: v1(165.88,2625.9) 188.82,2625.9 211.1,2603.62 U10.46@211.1,2580.51
  L08_SIG w6.8: v1(165.88,2625.9) 192.73,2625.9 R46.2@196.09,2629.26
NetR47_1: R47.1 U7.28 | length 67.1
  L01_SIG w6.8: U7.28@219.76,1125.35 219.76,1154.76 225,1160 225,1190 R47.1@224.76,1190
NetR48_2: R48.2 U6.5 | length 98.8
  L01_SIG w6.8: v1(55,1345) 55,1347.25 64.83,1357.09 U6.5@111.57,1357.09
  L08_SIG w6.8: v1(55,1345) 55.6,1345 66.26,1334.34 R48.2@86.43,1334.34
NetR49_1: R49.1 U6.32 | length 53.5
  L01_SIG w6.8: R49.1@125,1512.16 130.98,1506.18 130.98,1495.12 141.1,1485 U6.32@141.1,1465.35
NetR51_1: R51.1 U7.23 | length 108.9
  L01_SIG w6.8: U7.23@308.35,1076.14 378.14,1076.14 394.68,1092.68 R51.1@394.68,1108.39
NetR53_1: R53.1 U7.19 | length 112.1
  L01_SIG w6.8: U7.19@308.35,997.4 353.18,997.4 367.2,983.39 R53.1@414.68,983.39
NetR55_1: R55.1 U3.5 | length 415.5
  L01_SIG w6.8: v1(443.68,1484.05) 443.68,1485.32 455,1496.65 455,1531.38 U3.5@455.47,1531.85 ; R55.1@675.24,1490.83 675.24,1474.76 v1(690,1460)
  L08_SIG w6.8: v1(443.68,1484.05) 444.95,1482.77 444.95,1436.94 465.55,1416.34 657.48,1416.34 690,1448.86 v1(690,1460)
NetR56_2: R56.2 U7.5 | length 94.8
  L01_SIG w6.8: v1(68.69,995.99) 89.78,1017.09 U7.5@111.5,1017.09
  L08_SIG w6.8: v1(68.69,995.99) 68.69,995.52 R56.2@111.5,995.52
NetR57_1: R57.1 U7.32 | length 113.8
  L01_SIG w6.8: U7.32@141.02,1125.35 141.02,1163.66 144.63,1167.27 144.63,1183.06 v1(145.98,1184.41)
  L08_SIG w6.8: R57.1@114.77,1155 132.36,1155 144.63,1167.27 144.63,1183.06 v1(145.98,1184.41)
NetR59_2: R59.2 U10.3 | length 63.3
  L01_SIG w6.8: R59.2@89.76,2535 96.21,2528.56 106.44,2528.56 120.46,2514.54 143.21,2514.54 U10.3@144.17,2513.58
NetR61_2: R61.2 U4.6 | length 207.3
  L01_SIG w6.8: U4.6@514.84,1048.15 514.84,1071.89 530.14,1087.19 585.83,1087.19 597.02,1076 654.7,1076 R61.2@677.87,1099.17
NetR63_2: R63.2 U10.4 | length 56.9
  L01_SIG w6.8: R63.2@89.76,2500 95.87,2493.9 U10.4@144.17,2493.9
NetR64_2: R64.2 U10.9 | length 48.9
  L01_SIG w6.8: R64.2@99.76,2384.68 100.75,2384.68 110.58,2394.51 143.21,2394.51 U10.9@144.17,2395.47
NetR65_2: R65.2 U10.10 | length 55.8
  L01_SIG w6.8: R65.2@99.76,2349.68 100.75,2349.68 107.19,2356.13 107.19,2357.11 124.91,2374.83 143.21,2374.83 U10.10@144.17,2375.79
NetR66_2: R66.2 U10.11 | length 71.2
  L01_SIG w6.8: R66.2@99.76,2314.68 100.75,2314.68 108.47,2322.4 108.47,2326.97 120,2338.5 120,2350.32 125.13,2355.45 143.52,2355.45 U10.11@144.17,2356.1
NetR67_2: R67.2 U10.13 | length 89.1
  L01_SIG w6.8: R67.2@115,2264.45 115,2265.43 122.72,2273.15 123.7,2273.15 134.02,2283.46 169.24,2283.46 171.73,2285.95 U10.13@171.73,2308.86
NetR68_2: R68.2 U10.14 | length 73.3
  L01_SIG w6.8: R68.2@150,2264.45 170,2264.45 190,2284.45 190,2307.44 U10.14@191.42,2308.86
NetR69_2: R69.2 U10.21 | length 50.3
  L01_SIG w6.8: R69.2@315,2264.45 321.93,2271.38 321.93,2278.7 329.21,2285.99 U10.21@329.21,2308.86
NetR71_2: R71.2 U10.22 | length 45.5
  L01_SIG w6.8: U10.22@348.9,2308.86 350,2308.86 R71.2@350,2264.45
NetR73_2: R73.2 U10.23 | length 51.2
  L01_SIG w6.8: U10.23@368.58,2308.86 368.58,2286.25 377.28,2277.55 377.28,2272.17 R73.2@385,2264.45
NetR74_2: R74.2 U10.24 | length 58.2
  L01_SIG w6.8: U10.24@388.27,2308.86 388.27,2299.39 395.53,2292.13 405,2292.13 413.86,2283.27 413.86,2275.94 R74.2@420.3,2269.5
NetR75_2: R75.2 U10.25 | length 121.6
  L01_SIG w6.8: U10.25@415.83,2336.42 417.27,2334.97 435.7,2334.97 444.88,2325.79 444.88,2267.72 455.52,2257.07 469.44,2257.07 R75.2@470.24,2257.87
NetR76_2: R76.2 U10.26 | length 100.6
  L01_SIG w6.8: U10.26@415.83,2356.1 441.14,2356.1 470.24,2327.01 R76.2@470.24,2292.87
NetR77_2: R77.2 U10.27 | length 60.9
  L01_SIG w6.8: U10.27@415.83,2375.79 437.49,2375.79 453.28,2360 R77.2@470.24,2360
NetR78_2: R78.2 U10.28 | length 54.9
  L01_SIG w6.8: U10.28@415.83,2395.47 470.24,2395.47 R78.2@470.24,2395
NetR79_2: R79.2 R86.1 U10.31 | length 2126
  L01_SIG w6.8: U10.31@415.83,2454.53 440.16,2454.53 459.68,2435 567.95,2435 580,2422.95 v1(580,2405) ; R79.2@431.38,819.76 459.76,819.76 v1(470,830)
  L04_SIG w3.6: v1(470,830) 500,860 v1(570,860)
  L05_SIG w3.6: v1(570,860) 640,930 640,1205 745,1310 745,1510 800,1565 800,1757.28 745,1812.28 745,2210 580,2375 v1(580,2405)
  L08_SIG w6.8: R86.1@431.38,816.73 456.73,816.73 v1(470,830)
NetR80_2: R80.2 R83.1 U10.32 | length 2430.4
  L01_SIG w6.8: v1(348.9,860.07) 348.9,860 385,860 388.49,856.51 388.49,844.93 396.38,837.05 R80.2@396.38,819.76 ; U10.32@415.83,2474.21 440.16,2474.21 467.49,2446.88 575.59,2446.88 595,2427.47 v1(595,2385)
  L04_SIG w3.6: v1(348.9,860.07) 349.93,860.07 396.64,813.36 558.36,813.36 v1(590,845)
  L05_SIG w3.6: v1(590,845) 695,950 695,1140 850.16,1295.16 850.16,1546.3 827.89,1568.57 827.89,2290.82 795.29,2323.43 656.58,2323.43 v1(595,2385)
NetR89_2: R89.2 R94.1 U14.11 | length 1044.5
  L01_SIG w6.8: v1(18.3,402.97) 32.83,417.5 U14.11@99.32,417.5
  L04_SIG w3.6: v1(18.3,402.97) 27.94,412.61 390.98,412.61 411.58,392.02 411.58,357.06 422.06,346.58 471.58,346.58 545,420 636.86,420 666.86,450 v1(705,450)
  L08_SIG w6.8: R89.2@586.41,411.57 594.13,403.85 594.13,386.91 R94.1@607.73,373.31 628.31,373.31 v1(705,450)
NetR93_1: R93.1 R95.2 U14.10 | length 1353.1
  L01_SIG w6.8: v1(19.49,428.86) 22.13,428.86 26.52,433.25 U14.10@99.32,433.25
  L04_SIG w3.6: v1(19.49,428.86) 108.86,428.86 130,450 560,450 631.01,521.01 666.01,521.01 695,550 750,550 775,575 801.25,575 815.81,560.44 815.81,550.81 770,505 701.34,505 v1(649.76,453.42)
  L08_SIG w6.8: R95.2@490,485.24 490.24,485 510,485 517.21,477.79 R93.1@534,477.79 535.93,475.86 535.93,461.3 557.23,440 615.56,440 627.61,452.05 648.39,452.05 v1(649.76,453.42)
NetR104_1: R104.1 U15.7 | length 170.6
  L01_SIG w6.8: v1(705,530) U15.7@705,617.64
  L08_SIG w6.8: R104.1@697.8,610 697.8,537.36 705,530.17 v1(705,530)
NetR105_1: R105.1 U15.3 | length 221.5
  L01_SIG w6.8: U15.3@755,322.36 v1(755,400)
  L08_SIG w6.8: v1(755,400) 764.4,390.6 R105.1@764.4,260